# Altium PCB 8路分区电源管理器PCB.PcbDoc (part 2 of 2)
Units mm, origin at the board's own origin, x right, y up, seen from the top; angles counter-clockwise.
Board outline 138.9 x 76.5 mm, 2 copper layers (Top Layer, Bottom Layer); 98 components, 88 nets, 403 pads, 242 vias.
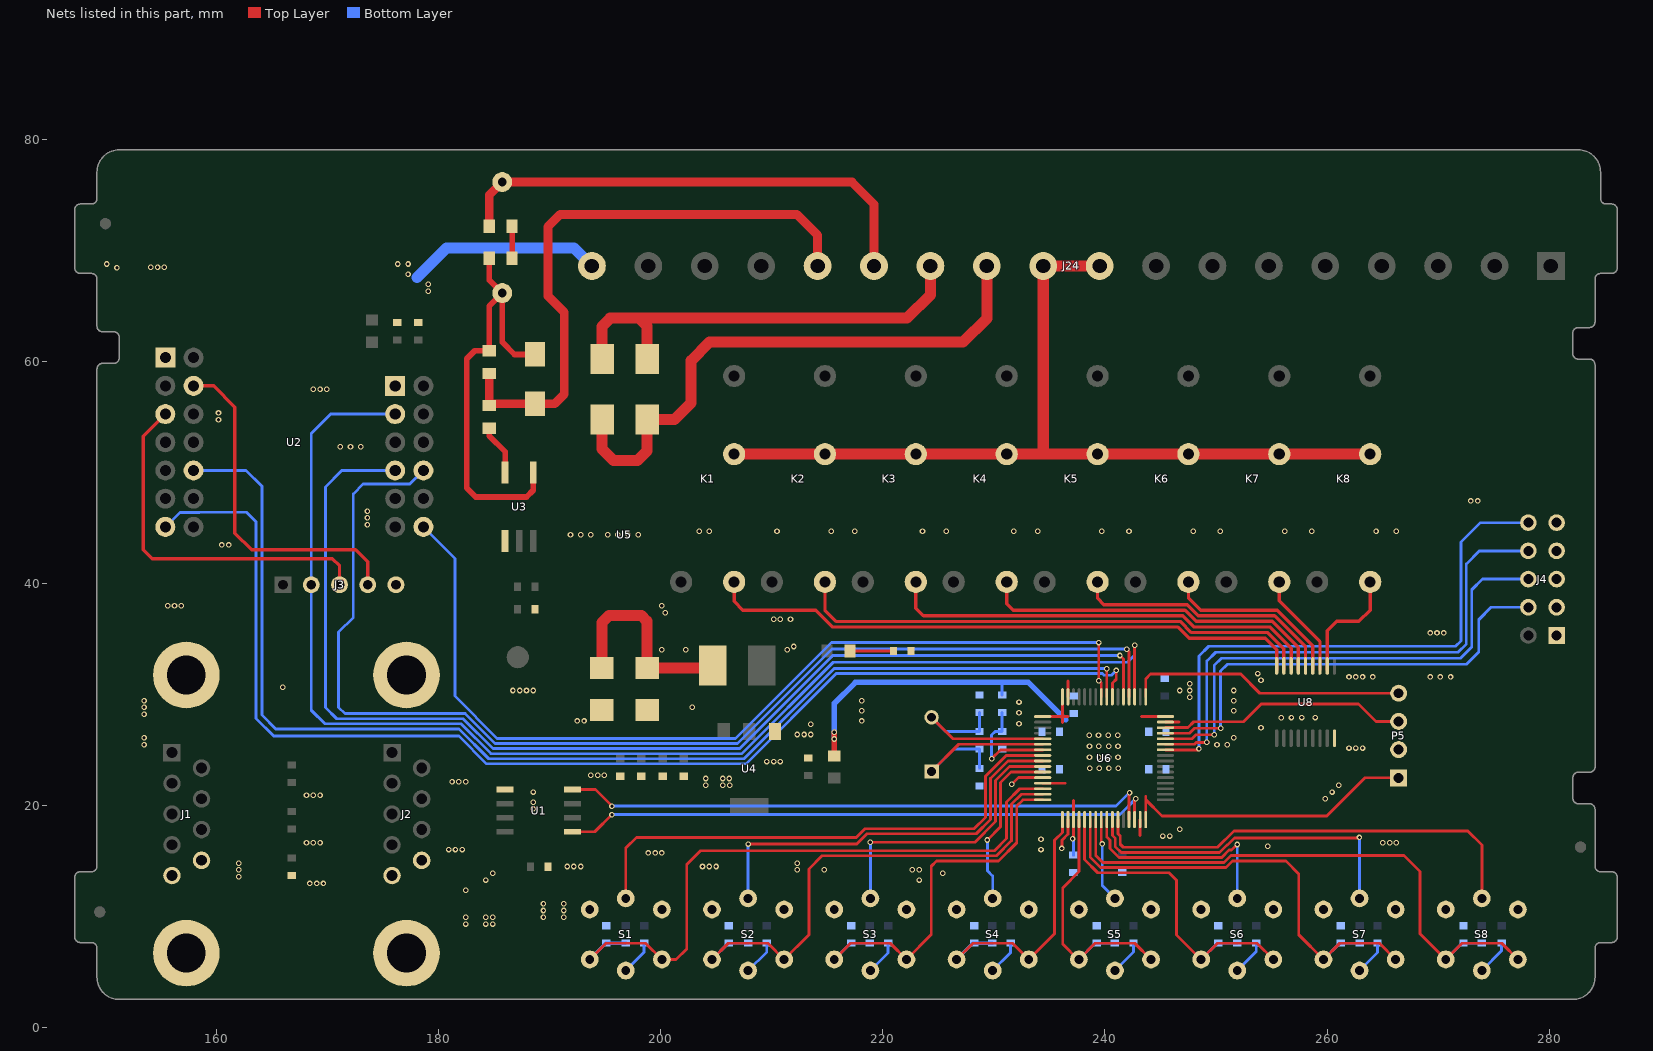
[diagram p2: the nets of this part, all layers, seen from the top]

## Via types
v1: diameter 0.5, hole 0.3, Top Layer to Bottom Layer, tented both sides, 242 vias

## Nets (pads, with @x,y where several pads share a name; then routed paths per layer and width w, separated by ;. In a path a pad name is that pad's centre, name@x,y a point inside that pad or via, vN(x,y) a via of type N, cw(c..) or ccw(c..) an arc to the next point about the centre after c; other vN are vias at no path point) (continued)
GND: C1.1 C2.2 C5.1 C6.1 C7.1 C8.1 C9.1 C10.1 C11.1 C12.1 C13.2 C14.2 C15.1 C16.1 C17.2 C18.2 C19.2 C20.2 C21.2 C22.1 C23.1 C24.1 C25.1 C26.1 C27.1 C28.1 J1.5 J1.9 J1.10 J1.11 J2.5 J2.9 J2.10 J2.11 J3.5 J4.1 J4.3 J4.5 J4.7 J4.9 J24.18 P5.2 R3.1 R8.1 R11.1 R15.1 S1.1 S1.3 S2.1 S2.3 S3.1 S3.3 S4.1 S4.3 S5.1 S5.3 S6.1 S6.3 S7.1 S7.3 S8.1 S8.3 U1.5 U2.1 U2.15 U3.4 U4.1 U5.4 U6.12 U6.18 U6.31 U6.47 U6.63 U8.9 | length 27.5
  Top Layer w0.254: v1(231.597,21.895) 232.209,22.507 U6.12@234.393,22.507 ; v1(236.118,16.128) 236.118,16.864 236.668,17.414 U6.18@236.668,18.732 ; U6.63@236.668,29.782 236.668,31.199 ; 243.168,17.283 U6.31@243.168,18.732 ; U6.47@245.443,27.507 246.667,27.507
  Bottom Layer w1: 178.054,67.539 180.721,70.206 192.176,70.206 J24.18@193.802,68.58
  other v1: 182.423,9.322 184.252,9.322 184.861,9.322 182.423,9.931 184.252,9.931 184.861,9.931 189.433,9.931 191.262,9.931 189.433,10.541 191.262,10.541 189.433,11.151 191.262,11.151 182.423,12.37 168.402,12.979 169.012,12.979 169.621,12.979 184.252,13.284 223.266,13.284 162.001,13.589 184.861,13.894 225.4,13.894 162.001,14.199 212.293,14.199 214.732,14.199 222.656,14.199 223.266,14.199 191.567,14.503 192.176,14.503 192.786,14.503 203.759,14.503 204.368,14.503 204.978,14.503 162.001,14.808 212.293,14.808 198.882,15.723 199.492,15.723 200.101,15.723 180.899,16.027 181.508,16.027 182.118,16.027 234.239,16.027 254.66,16.332 168.097,16.637 168.707,16.637 169.316,16.637 265.024,16.637 265.633,16.637 266.243,16.637 234.239,16.942 245.212,17.247 245.821,17.247 246.736,17.856 188.519,19.685 188.519,20.295 259.842,20.599 168.097,20.904 168.707,20.904 169.316,20.904 188.519,21.209 260.452,21.209 204.064,21.819 205.588,21.819 206.197,21.819 261.061,21.819 181.204,22.123 181.813,22.123 182.423,22.123 204.064,22.428 205.588,22.428 206.172,22.428 193.7,22.733 194.31,22.733 194.92,22.733 209.55,23.952 210.16,23.952 210.769,23.952 261.976,25.171 262.585,25.171 263.195,25.171 153.467,25.476 250.088,25.476 251.003,25.476 153.467,26.086 251.612,26.086 212.293,26.391 212.903,26.391 213.512,26.391 254.051,27 213.512,27.305 232.258,27.356 192.481,27.61 193.091,27.61 218.084,27.61 255.88,27.898 256.794,27.915 257.708,27.915 258.928,27.915 153.467,28.219 232.258,28.346 218.084,28.524 251.612,28.524 153.467,28.829 202.844,28.829 232.258,29.312 153.467,29.439 218.084,29.439 251.612,29.439 247.65,29.743 186.69,30.353 187.3,30.353 187.909,30.353 188.519,30.353 246.736,30.353 247.65,30.353 251.612,30.353 165.964,30.658 247.65,30.963 254.051,31.267 261.976,31.572 262.585,31.572 263.195,31.572 264.109,31.572 269.291,31.572 270.205,31.572 271.12,31.572 253.746,31.877 200.101,34.011 202.235,34.011 211.379,34.011 211.988,34.315 269.291,35.535 269.9,35.535 270.51,35.535 210.16,36.754 210.769,36.754 211.684,36.754 200.406,37.363 155.6,37.973 156.21,37.973 156.82,37.973 200.101,37.973 160.477,43.459 161.087,43.459 191.872,44.374 192.786,44.374 193.7,44.374 195.224,44.374 196.139,44.374 197.053,44.374 197.968,44.374 203.454,44.679 204.368,44.679 210.464,44.679 215.341,44.679 217.475,44.679 223.571,44.679 225.704,44.679 231.8,44.679 233.934,44.679 239.725,44.679 242.164,44.679 247.955,44.679 250.393,44.679 256.184,44.679 258.623,44.679 264.414,44.679 266.243,44.679 173.584,45.288 173.584,45.898 173.584,46.507 272.948,47.422 273.558,47.422 171.145,52.299 172.06,52.299 172.974,52.299 160.172,54.737 160.172,55.347 168.707,57.48 169.316,57.48 169.926,57.48 179.07,66.319 179.07,66.929 177.241,67.843 151.028,68.428 154.076,68.453 154.686,68.453 155.296,68.453 150.114,68.758 176.301,68.758 177.241,68.758
KEY1: C11.2 R10.2 S1.2 S1.4 U6.14 | length 58.6
  Top Layer w0.254: S1.2@193.6,6.132 195.063,7.595 198.637,7.595 S1.4@200.1,6.132 201.382,6.132 202.336,7.087 202.336,14.681 203.581,15.926 230.048,15.926 231.14,17.018 231.14,20.32 232.327,21.507 U6.14@234.393,21.507
  Bottom Layer w0.3: S1.2@193.6,6.132 195.063,7.595 C11.2@195.108,7.595 R10.2@196.85,7.595
KEY2: C22.2 R16.2 S2.2 S2.4 U6.15 | length 46.4
  Top Layer w0.254: S2.2@204.613,6.132 206.075,7.595 209.65,7.595 S2.4@211.113,6.132 213.335,8.354 213.335,14.275 214.528,15.469 230.237,15.469 231.597,16.829 231.597,20.131 232.474,21.007 U6.15@234.393,21.007
  Bottom Layer w0.254: S2.2@204.613,6.132 206.075,7.595 C22.2@206.121,7.595 R16.2@207.863,7.595
KEY3: C23.2 R18.2 S3.2 S3.4 U6.16 | length 35.3
  Top Layer w0.254: S3.2@215.625,6.132 217.088,7.595 220.663,7.595 S3.4@222.125,6.132 224.358,8.365 224.358,14.529 224.841,15.011 230.427,15.011 232.054,16.639 232.054,19.941 232.62,20.507 U6.16@234.393,20.507
  Bottom Layer w0.254: S3.2@215.625,6.132 217.088,7.595 C23.2@217.17,7.595 R18.2@218.821,7.595
KEY4: C24.2 R20.2 S4.2 S4.4 U6.17 | length 25.4
  Top Layer w0.254: S4.2@226.638,6.132 228.101,7.595 231.676,7.595 S4.4@233.138,6.132 235.458,8.452 235.458,16.866 236.168,17.576 U6.17@236.168,18.732
  Bottom Layer w0.3: S4.2@226.638,6.132 228.101,7.595 C24.2@228.219,7.595 R20.2@229.87,7.595
KEY5: C25.2 R22.2 S5.2 S5.4 U6.20 | length 25.4
  Top Layer w0.254: U6.20@237.668,18.732 237.668,14.047 236.195,12.573 236.195,7.518 237.581,6.132 S5.2@237.651,6.132 239.113,7.595 242.688,7.595 S5.4@244.151,6.132
  Bottom Layer w0.254: S5.2@237.651,6.132 239.113,7.595 C25.2@239.268,7.595 R22.2@240.901,7.595
KEY6: C26.2 R24.2 S6.2 S6.4 U6.21 | length 32.3
  Top Layer w0.254: U6.21@238.168,18.732 238.168,15.12 239.344,13.945 245.77,13.945 246.456,13.259 246.456,8.339 S6.2@248.664,6.132 250.126,7.595 253.701,7.595 S6.4@255.164,6.132
  Bottom Layer w0.254: S6.2@248.664,6.132 250.126,7.595 C26.2@250.19,7.595 R24.2@251.914,7.595
KEY7: C27.2 R26.2 S7.2 S7.4 U6.22 | length 43.5
  Top Layer w0.254: U6.22@238.668,18.732 238.668,15.345 239.612,14.402 250.897,14.402 251.481,14.986 256.311,14.986 257.454,13.843 257.454,8.354 S7.2@259.676,6.132 261.139,7.595 264.714,7.595 S7.4@266.176,6.132
  Bottom Layer w0.254: S7.2@259.676,6.132 261.139,7.595 C27.2@261.239,7.595 R26.2@262.926,7.595
KEY8: C28.2 R28.2 S8.2 S8.4 U6.23 | length 54
  Top Layer w0.254: U6.23@239.168,18.732 239.168,15.492 239.801,14.859 250.707,14.859 251.342,15.494 266.929,15.494 268.376,14.046 268.376,8.445 S8.2@270.689,6.132 272.152,7.595 275.726,7.595 S8.4@277.189,6.132
  Bottom Layer w0.254: S8.2@270.689,6.132 272.152,7.595 C28.2@272.288,7.595 R28.2@273.939,7.595
L: J24.12 U5.1 | length 40.3
  Top Layer w1: U5.1@194.716,60.203 194.716,63.144 195.453,63.881 198.044,63.881 ; U5.1@198.771,60.203 198.771,63.154 198.044,63.881 ; J24.12@224.282,68.58 224.282,65.989 222.174,63.881 198.044,63.881
L1: C4.2 D1.1 J24.14 R7.1 | length 53.7
  Top Layer w0.8: R7.1@184.556,56.016 C4.2@184.556,58.894 ; R7.1@184.81,56.175 D1.1@188.671,56.175 190.439,56.175 191.313,57.048 191.313,64.414 189.84,65.888 189.84,72.111 190.957,73.228 212.242,73.228 214.122,71.349 J24.14@214.122,68.58
MCU_3V3: C12.2 C13.1 C14.1 C15.2 C16.2 C18.1 L2.1 P5.1 R13.2 U6.1 U6.13 U6.19 U6.32 U6.48 U6.64 | length 70.2
  Top Layer w0.254: U6.13@234.393,22.007 236.387,22.007 ; U6.1@234.393,28.007 236.168,28.007 ; 236.168,27.458 236.168,28.007 ; U6.64@236.168,29.782 236.168,28.007 ; 236.661,28.007 236.168,28.007 ; v1@236.982,16.993 237.168,17.179 U6.19@237.168,18.732 237.168,20.447 ; 243.297,28.007 U6.48@245.443,28.007 ; U6.32@243.668,18.732 243.668,20.511 ; 243.668,20.834 243.668,20.511 ; P5.1@266.446,22.489 263.408,22.489 259.969,19.05 245.129,19.05 243.668,20.511
  Top Layer w0.5: L2.1@215.621,24.47 v1(215.621,25.984) v1(215.621,26.594)
  Bottom Layer w0.254: R13.2@230.734,29.947 230.734,31.064 ; v1@236.982,16.993 237.16,16.815 C15.2@237.16,15.519
  Bottom Layer w0.5: v1(215.621,25.984) v1(215.621,26.594) 215.621,29.185 217.526,31.09 233.096,31.09 236.461,27.724
  other v1: 237.084,16.993 238.633,23.343 239.471,23.343 240.36,23.343 241.198,23.343 238.608,24.333 239.446,24.333 240.335,24.333 241.173,24.333 238.608,25.324 239.446,25.324 240.335,25.324 241.173,25.324 238.582,26.314 239.42,26.314 240.309,26.314 241.148,26.314
MCU_NRST: C21.1 R13.1 U6.7 | length 9.8
  Top Layer w0.254: v1(229.794,24.206) 230.595,25.007 U6.7@234.393,25.007
  Bottom Layer w0.254: v1(229.794,24.206) 229.794,26.34 230.124,26.67 C21.1@230.734,26.67 R13.1@230.734,28.372
MODE_SW1: J4.10 U6.42 | length 51.3
  Top Layer w0.254: U6.42@245.443,25.007 248.375,25.007 v1(248.463,25.095)
  Bottom Layer w0.254: v1@248.463,25.019 v1(248.463,25.095) 248.463,33.452 249.352,34.341 271.579,34.341 272.059,34.821 272.059,43.713 273.812,45.466 J4.10@278.13,45.466
MODE_SW2: J4.8 U6.43 | length 48.6
  Top Layer w0.254: U6.43@245.443,25.507 248.054,25.507 248.222,25.675 249.322,25.675 v1@249.326,25.679
  Bottom Layer w0.254: v1(249.174,25.679) 249.174,32.995 249.98,33.801 271.803,33.801 272.542,34.54 272.542,41.758 273.71,42.926 J4.8@278.13,42.926
MODE_SW3: J4.6 U6.44 | length 45.3
  Top Layer w0.254: U6.44@245.443,26.007 247.851,26.007 248.209,26.365 v1(249.834,26.365)
  Bottom Layer w0.254: v1(249.834,26.365) 249.834,32.588 250.507,33.261 272.026,33.261 273.025,34.26 273.025,39.421 273.99,40.386 J4.6@278.13,40.386
MODE_SW4: J4.4 U6.45 | length 42.1
  Top Layer w0.254: U6.45@245.443,26.507 247.614,26.507 248.056,26.949 v1(250.419,26.949)
  Bottom Layer w0.254: v1(250.419,26.949) 250.419,32.106 251.028,32.715 272.567,32.715 273.66,33.807 273.66,36.728 274.777,37.846 J4.4@278.13,37.846
N: J24.11 U5.2 | length 51.6
  Top Layer w1: U5.2@194.716,54.762 194.716,52.121 195.758,51.079 197.917,51.079 198.771,51.934 U5.2@198.771,54.762 201.219,54.762 202.717,56.261 202.717,60.046 204.394,61.722 227.228,61.722 229.362,63.856 J24.11@229.362,68.58
N1: C3.1 J24.13 R5.1 | length 44.3
  Top Layer w0.8: R5.1@184.556,72.161 184.556,74.973 C3.1@185.725,76.142 217.203,76.142 219.202,74.143 J24.13@219.202,68.58
NetC3_2: C3.2 C4.1 D1.2 R6.2 U3.1 | length 39.2
  Top Layer w0.508: R6.2@184.556,69.266 184.556,67.31 C3.2@185.725,66.142 ; U3.1@188.519,49.971 188.519,48.387 187.909,47.777 183.337,47.777 182.524,48.59 182.524,60.223 183.245,60.944 C4.1@184.556,60.944 184.556,64.973 C3.2@185.725,66.142 ; D1.2@188.671,60.615 186.832,60.615 185.725,61.722 C3.2@185.725,66.142
NetC19_1: C19.1 R12.1 U6.6 Y1.1 | length 17.9
  Top Layer w0.254: Y1.1@224.384,23.06 226.831,25.507 U6.6@234.393,25.507
  Bottom Layer w0.254: Y1.1@224.384,23.06 226.419,25.095 R12.1@228.702,25.095 228.702,23.368 C19.1@228.727,23.343
NetC20_1: C20.1 R12.2 U6.5 Y1.2 | length 17.4
  Top Layer w0.254: Y1.2@224.384,27.94 226.317,26.007 U6.5@234.393,26.007
  Bottom Layer w0.254: Y1.2@224.384,27.94 225.654,26.67 R12.2@228.702,26.67 C20.1@228.702,28.372
NetD2_2: D2.2 R8.2 | length 3.9
  Top Layer w0.3: D2.2@217.027,33.909 R8.2@220.955,33.909
NetF1_1: F1.1 U5.3 | length 18.8
  Top Layer w1: U5.3@194.691,32.385 194.691,36.474 195.325,37.108 198.248,37.108 198.771,36.585 U5.3@198.771,32.385 204.48,32.385 F1.1@204.683,32.588
NetJ24_9: J24.9 J24.10 K1.2 K2.2 K3.2 K4.2 K5.2 K6.2 K7.2 K8.2 | length 79.4
  Top Layer w1: K1.2@206.605,51.638 K2.2@214.787,51.638 K3.2@222.969,51.638 K4.2@231.152,51.638 234.315,51.638 ; J24.9@239.522,68.58 J24.10@234.442,68.58 234.442,51.765 234.315,51.638 ; K8.2@263.881,51.638 K7.2@255.699,51.638 K6.2@247.517,51.638 K5.2@239.334,51.638 234.315,51.638
NetR5_2: R5.2 R6.1 | length 2.9
  Top Layer w0.5: R6.1@186.607,69.266 R5.2@186.607,72.161
NetR7_2: R7.2 U3.3 | length 4.6
  Top Layer w0.5: R7.2@184.556,53.966 184.556,53.289 185.979,51.867 U3.3@185.979,49.971
NetR9_2: R9.2 S1.5 | length 3.1
  Bottom Layer w0.254: S1.5@196.85,5.132 198.501,6.783 R9.2@198.501,7.595
NetR14_2: R14.2 S2.5 | length 3.2
  Bottom Layer w0.254: S2.5@207.863,5.132 209.55,6.819 R14.2@209.55,7.595
NetR17_2: R17.2 S3.5 | length 3.1
  Bottom Layer w0.254: S3.5@218.875,5.132 220.472,6.729 R17.2@220.472,7.595
NetR19_2: R19.2 S4.5 | length 3.1
  Bottom Layer w0.254: S4.5@229.888,5.132 231.496,6.739 R19.2@231.496,7.595
NetR21_2: R21.2 S5.5 | length 3.2
  Bottom Layer w0.254: S5.5@240.901,5.132 242.57,6.801 R21.2@242.57,7.595
NetR23_2: R23.2 S6.5 | length 3.2
  Bottom Layer w0.254: S6.5@251.914,5.132 253.619,6.837 R23.2@253.619,7.595
NetR25_2: R25.2 S7.5 | length 3.1
  Bottom Layer w0.254: S7.5@262.926,5.132 264.541,6.747 R25.2@264.541,7.595
NetR27_2: R27.2 S8.5 | length 3.2
  Bottom Layer w0.254: S8.5@273.939,5.132 275.717,6.91 R27.2@275.717,7.595
PA_EN: U2.10 U6.56 | length 110.8
  Top Layer w0.254: v1@240.157,32.182 240.168,32.17 U6.56@240.168,29.782
  Bottom Layer w0.254: U2.10@157.924,50.165 162.662,50.165 164.084,48.743 164.084,28.143 165.329,26.899 181.818,26.899 184.51,24.206 207.488,24.206 215.616,32.334 v1@240.132,32.334
  other v1: 240.157,32.309
PA_HGM: U2.26 U6.57 | length 84.5
  Top Layer w0.254: v1(239.446,34.671) v1(239.446,31.242) 239.668,31.019 U6.57@239.668,29.782
  Bottom Layer w0.254: U2.26@178.625,45.085 181.458,42.253 181.458,29.845 185.268,26.035 206.731,26.035 215.367,34.671 v1(239.446,34.671)
PA_PAEN: U2.13 U6.55 | length 111.9
  Top Layer w0.254: U6.55@240.668,29.782 240.668,31.017 241.021,31.369 v1@241.021,32.029
  Bottom Layer w0.254: U2.13@155.385,45.085 156.694,46.395 158.434,46.395 158.445,46.406 162.687,46.406 163.551,45.542 163.551,27.838 165.147,26.242 181.828,26.242 184.321,23.749 207.677,23.749 215.801,31.872 239.773,31.872 239.917,31.729 240.593,31.729 v1(241.021,32.156)
RLY-1: K1.3 U8.18 | length 54.2
  Top Layer w0.3: K1.3@206.605,40.132 206.605,38.378 207.391,37.592 213.97,37.592 215.494,36.068 246.583,36.068 247.58,35.071 254.436,35.071 255.464,34.043 U8.18@255.464,32.57 U8.18@255.464,32.214
RLY-2: K2.3 U8.17 | length 47.2
  Top Layer w0.3: K2.3@214.787,40.132 214.787,37.562 215.778,36.571 246.792,36.571 247.788,35.574 254.645,35.574 256.114,34.105 U8.17@256.114,32.57 U8.17@256.114,32.214
RLY-3: K3.3 U8.16 | length 39.4
  Top Layer w0.3: K3.3@222.969,40.132 222.969,37.762 223.657,37.074 247,37.074 247.997,36.078 254.853,36.078 256.764,34.167 U8.16@256.764,32.57 U8.16@256.764,32.385
RLY-4: K4.3 U8.15 | length 31.9
  Top Layer w0.3: K4.3@231.152,40.132 231.152,38.164 231.739,37.578 247.208,37.578 248.205,36.581 255.062,36.581 257.414,34.228 U8.15@257.414,32.57 U8.15@257.414,32.214
RLY-5: K5.3 U8.14 | length 23.9
  Top Layer w0.3: K5.3@239.334,40.132 239.334,38.643 239.897,38.081 247.417,38.081 248.414,37.084 255.27,37.084 258.064,34.29 U8.14@258.064,32.385
RLY-6: K6.3 U8.13 | length 16.6
  Top Layer w0.3: K6.3@247.517,40.132 247.517,38.693 248.617,37.592 255.524,37.592 258.714,34.402 U8.13@258.714,32.214
RLY-7: K7.3 U8.12 | length 9.4
  Top Layer w0.3: K7.3@255.699,40.132 255.699,38.433 259.364,34.768 U8.12@259.364,32.214
RLY-8: K8.3 U8.11 | length 10.7
  Top Layer w0.3: U8.11@260.014,32.214 260.014,35.732 260.863,36.581 262.87,36.581 263.881,37.592 K8.3@263.881,40.132
S-LED1: S1.6 U6.8 | length 47.7
  Top Layer w0.254: S1.6@196.85,11.632 196.85,16.154 197.815,17.12 217.602,17.12 218.387,17.905 228.219,17.905 229.235,18.921 229.235,22.631 231.111,24.507 U6.8@234.393,24.507
S-LED2: S2.6 U6.9 | length 36.7
  Top Layer w0.254: v1(207.863,16.525) 217.653,16.525 218.576,17.447 228.408,17.447 229.692,18.731 229.692,22.442 231.257,24.007 U6.9@234.393,24.007
  Bottom Layer w0.254: S2.6@207.863,11.632 v1(207.863,16.525)
S-LED3: S3.6 U6.10 | length 25.6
  Top Layer w0.254: v1(218.875,16.69) 228.297,16.69 230.149,18.542 230.149,22.253 231.404,23.507 U6.10@234.393,23.507
  Bottom Layer w0.254: S3.6@218.875,11.632 v1(218.875,16.69)
S-LED4: S4.6 U6.11 | length 15.3
  Top Layer w0.254: v1(229.413,16.891) 230.607,18.085 230.607,22.063 231.55,23.007 U6.11@234.393,23.007
  Bottom Layer w0.254: v1(229.413,16.891) 229.413,14.122 229.888,13.647 S4.6@229.888,11.632
S-LED5: S5.6 U6.24 | length 7.6
  Top Layer w0.254: U6.24@239.668,18.732 239.668,16.618 v1(239.751,16.535)
  Bottom Layer w0.254: v1(239.751,16.535) 239.751,12.782 S5.6@240.901,11.632
S-LED6: S6.6 U6.25 | length 19.9
  Top Layer w0.254: U6.25@240.168,18.732 240.168,17.157 240.462,16.864 240.462,16.127 241.272,15.316 250.518,15.316 251.178,15.977 251.406,15.977 v1(251.914,16.485)
  Bottom Layer w0.254: S6.6@251.914,11.632 v1(251.914,16.485)
S-LED7: S7.6 U6.26 | length 30.8
  Top Layer w0.254: U6.26@240.668,18.732 240.668,17.304 240.919,17.053 240.919,16.316 241.462,15.773 250.329,15.773 250.989,16.434 251.042,16.434 251.673,17.065 262.861,17.065 v1(262.915,17.12) v1@262.941,17.12
  Bottom Layer w0.254: v1(262.915,17.12) 262.915,11.643 S7.6@262.926,11.632
S-LED8: S8.6 U6.27 | length 40.9
  Top Layer w0.254: U6.27@241.168,18.732 241.168,17.451 241.376,17.243 241.376,16.505 241.651,16.231 250.139,16.231 251.608,17.7 272.673,17.7 273.939,16.434 S8.6@273.939,11.632
SWCLK: P5.4 U6.49 | length 25.3
  Top Layer w0.254: U6.49@243.668,29.782 243.668,31.401 244.094,31.826 252.222,31.826 253.939,30.109 P5.4@266.446,30.109
SWDIO: P5.3 U6.46 | length 22.5
  Top Layer w0.254: U6.46@245.443,27.007 247.467,27.007 247.994,27.534 252.476,27.534 254.076,29.134 262.84,29.134 264.405,27.569 P5.3@266.446,27.569
UART3_RXD: U1.1 U6.30 | length 53.8
  Top Layer w0.254: U1.1@192.049,17.628 194.056,17.628 v1(195.605,19.177) ; U6.30@242.668,18.732 242.668,20.498 v1(242.77,20.599)
  Bottom Layer w0.254: v1@195.682,19.177 241.348,19.177 v1(242.77,20.599)
UART3_TXD: U1.4 U6.29 | length 53.7
  Top Layer w0.254: U1.4@192.049,21.438 194.107,21.438 v1(195.605,19.939) ; U6.29@242.168,18.732 242.168,21.112 v1(242.214,21.158)
  Bottom Layer w0.254: v1(195.605,19.939) 240.995,19.939 v1(242.214,21.158)
Z_DC: J3.4 U2.4 | length 31
  Top Layer w0.3: U2.4@157.924,57.785 159.741,57.785 161.646,55.88 161.646,44.526 163.144,43.028 172.517,43.028 173.609,41.935 J3.4@173.609,39.878
Z_DD: J3.3 U2.5 | length 33
  Top Layer w0.3: U2.5@155.385,55.245 153.391,53.251 153.391,43.028 154.203,42.215 170.434,42.215 171.069,41.58 J3.3@171.069,39.878
Z_RST: J3.2 U2.17 U6.51 | length 118.2
  Top Layer w0.254: U6.51@242.668,29.782 v1(242.668,34.439)
  Bottom Layer w0.254: U2.17@176.085,55.245 170.282,55.245 168.529,53.492 J3.2@168.529,39.878 168.529,28.575 169.748,27.356 182.007,27.356 184.699,24.663 207.299,24.663 215.528,32.893 242.037,32.893 242.668,33.525 v1(242.668,34.439)
Z_RXD: U2.22 U6.52 | length 107.3
  Top Layer w0.254: v1(241.96,34.061) 242.168,33.853 U6.52@242.168,29.782
  Bottom Layer w0.254: U2.22@178.625,50.165 177.395,48.935 173.192,48.935 172.314,48.057 172.314,36.932 170.993,35.611 170.993,28.829 171.552,28.27 182.386,28.27 185.078,25.578 206.92,25.578 215.425,34.083 v1@241.939,34.083 ; v1(241.96,34.061) v1@241.939,34.083 ; v1@242.087,34.083 v1@241.939,34.083
Z_TXD: U2.21 U6.53 | length 107.2
  Top Layer w0.254: v1(241.351,33.503) 241.668,33.185 U6.53@241.668,29.782
  Bottom Layer w0.254: U2.21@176.085,50.165 171.272,50.165 169.799,48.692 169.799,28.829 170.815,27.813 182.196,27.813 184.889,25.121 207.109,25.121 215.491,33.503 v1@241.325,33.503 ; v1@241.325,33.528 v1(241.351,33.503)
pads on no net: FM1.1 FM2.1 FM3.1 FM4.1 FM5.1 FM6.1 J1.2 J1.4 J1.7 J2.2 J2.4 J2.7 J4.2 U2.2 U2.3 U2.6 U2.7 U2.8 U2.9 U2.11 U2.12 U2.14 U2.19 U2.20 U2.23 U2.24 U2.25 U6.2 U6.3 U6.4 U6.50 U6.54 U6.58 U6.59 U6.61

## Polygon pours and split planes (outlines as drawn)
GND on Bottom Layer "Bottom Layer-No Net" (hatched 90Degree grid 0.305 track 0.203, remove dead copper, pour order 18): 147.447,68.707 148.438,69.698 177.521,69.698 180.111,67.107 180.111,46.736 181.585,45.263 268.148,45.263 271.729,48.844 283.82,48.844 283.82,3.48 283.159,2.819 147.091,2.819 146.634,3.277 146.634,67.869 147.168,68.402
GND on Top Layer "Bottom Layer-No Net" (hatched 90Degree grid 0.305 track 0.203, remove dead copper, pour order 16): 150.597,69.444 177.648,69.444 179.781,67.31 179.781,47.066 181.483,45.364 268.554,45.364 271.958,48.768 283.972,48.768 283.972,3.2 283.083,2.311 148.844,2.311 146.812,4.343 146.812,67.894 147.625,68.707
MCU_3V3 on Top Layer "Top Layer-MCU_3V3" (solid, pour order 14): 235.636,21.006 236.626,20.015 243.434,20.015 244.196,20.777 244.196,27.813 243.484,28.524 236.423,28.524 235.636,27.737

## Keep-outs
Keep-Out Layer:
  circle w0.064: c284.13,5.904 r0.032
  lines w0.127: 284.13,59.691 ccw(c283.63,59.691) 283.63,60.191 282.63,60.191 cw(c282.63,60.691) 282.13,60.691 282.13,62.535 cw(c282.63,62.535) 282.63,63.035 283.63,63.035 ccw(c283.63,63.535) 284.13,63.535 284.13,67.408 cw(c284.63,67.408) 284.63,67.908 285.63,67.908 ccw(c285.63,68.408) 286.13,68.408 286.13,73.662 ccw(c285.63,73.662) 285.63,74.162 285.13,74.162 cw(c285.13,74.662) 284.63,74.662 284.63,77.035 ccw(c282.63,77.035) 282.63,79.035 151.23,79.035 ccw(c151.23,77.035) 149.23,77.035 149.23,74.662 cw(c148.73,74.662) 148.73,74.162 147.73,74.162 ccw(c147.73,73.662) 147.23,73.662 147.23,68.408 ccw(c147.73,68.408) 147.73,67.908 148.73,67.908 cw(c148.73,67.408) 149.23,67.408 149.23,63.154 ccw(c149.73,63.154) 149.73,62.654 150.73,62.654 cw(c150.73,62.154) 151.23,62.154 151.23,60.31 cw(c150.73,60.31) 150.73,59.81 149.73,59.81 ccw(c149.73,59.31) 149.23,59.31 149.23,14.535 cw(c148.73,14.535) 148.73,14.035 147.73,14.035 ccw(c147.73,13.535) 147.23,13.535 147.23,8.154 ccw(c147.73,8.154) 147.73,7.654 148.73,7.654 cw(c148.73,7.154) 149.23,7.154 149.23,4.535 ccw(c151.23,4.535) 151.23,2.535 282.13,2.535 ccw(c282.13,4.535) 284.13,4.535 284.13,7.154 cw(c284.63,7.154) 284.63,7.654 285.63,7.654 ccw(c285.63,8.154) 286.13,8.154 286.13,13.535 ccw(c285.63,13.535) 285.63,14.035 284.63,14.035 cw(c284.63,14.535) 284.13,14.535 284.13,19.651 ccw(c283.63,19.651) 283.63,20.151 282.638,20.151 cw(c282.638,20.651) 282.138,20.651 282.138,22.495 cw(c282.638,22.495) 282.638,22.995 283.638,22.995 ccw(c283.638,23.495) 284.138,23.495 284.138,59.691

## Other copper
Top Layer:
  region net MCU_3V3: 236.423,28.524 235.636,27.737 235.636,20.98 236.601,20.015 241.097,20.015 241.605,20.523 241.605,21.524 241.976,21.895 242.926,21.895 243.103,21.717 243.103,21.007 243.472,20.511 244.069,20.511 244.221,20.663 244.221,27.788 243.484,28.524
  region: 235.636,21.006
Bottom Layer:
  region net MCU_3V3: 236.423,28.524 235.661,27.762 235.661,21.234 235.915,20.98 240.233,20.98 241.427,22.174 244.018,22.174 244.196,22.352 244.196,27.864 243.535,28.524

## Silkscreen, mask and mechanical layers (free items; w line width, h text height)
Top Overlay:
  drawing of 1691 lines, arcs and shapes, not listed
  text "L" at 213.614,70.739 h2
  text "N" at 218.694,70.612 h2
  text "L" at 223.774,70.612 h2
  text "N" at 228.981,70.485 h2
  text "A" at 203.708,70.358 h2
  text "B" at 208.534,70.358 h2
  text "GND" at 192.405,70.231 h2
  text "+5V" at 197.485,70.231 h2
  text "RLY 1 ←→ 8" at 263.5,62.23 h2
  text "220VAC" at 266.751,59.36 h2
  text "3V3" at 165.633,37.744 h1.2 r270
  text "RST" at 168.173,37.744 h1.2 r270
  text "DD" at 170.706,37.744 h1.2 r270
  text "DC" at 173.253,37.744 h1.2 r270
  text "GND" at 175.793,37.744 h1.2 r270
  text "分区电源管理器控制板" at 228.803,35.001 h2.5
  text "+5V" at 201.754,31.623 h2 r90
  text "PWR" at 214.046,30.683 h2
  text "SWCLK" at 268.529,29.794 h1
  text "SWDIO" at 268.529,27.212 h1
  text "GND" at 202.008,27.051 h2 r90
  text "GND" at 268.529,24.63 h1
  text "3V3" at 268.529,22.047 h1
  text "MCU下载" at 262.611,18.085 h2
  text "国顺教育" at 272.578,17.527 h2.6
Bottom Overlay:
  drawing of 451 lines, arcs and shapes, not listed
  text "分区电源管理器控制板" at 176.91,72.184 h2.5
  text "GS-P1B-GXO02-V1.0" at 177.063,69.557 h2.5
  text "138.9 x 76.5 x 1.6 mm" at 177.063,67.179 h2.5
  text "2019-04-24" at 176.94,64.8 h2.5
  text "190416" at 175.692,5.41 h2
Mechanical 1:
  lines w0.254: 190.136,2.478 190.136,46.32 ; 190.136,61.357 190.136,78.743
Mechanical 2:
  text "制板说明：" at 91.938,-23.371 h2
  text "1. 电路板边框 画在KeepOut 层" at 93.98,-26.289 h2
  text "2. 制板说明放置在Mechanical2 层" at 93.955,-29.146 h2
  text "3. V型槽在Mechanical3 层" at 93.955,-31.972 h2
  text "4. PCB厂商编号请放置指定位置(GTAGTA)" at 93.955,-34.798 h2
Mechanical 15:
  lines w0.1: 154.729,24.26 157.929,24.26 ; 156.329,22.66 156.329,25.001 156.804,25.476 ; 173.652,24.514 176.852,24.514 ; 175.252,22.914 175.252,26.114 ; 191.457,13.973 194.657,13.973 ; 193.057,12.373 193.057,15.573 ; 277.817,67.567 281.017,67.567 ; 278.452,35.309 281.652,35.309 ; 279.417,65.967 279.417,69.167 ; 280.052,33.709 280.052,36.909
Mechanical 16:
  drawing of 3770 lines, arcs and shapes, not listed
  text "1" at 114.35,139.097 h1.78
  text "2" at 186.994,139.097 h1.78
  text "3" at 260.146,139.097 h1.78
  text "4" at 333.044,139.097 h1.78
  text "A" at 80.01,116.085 h1.78
  text "A" at 367.03,116.085 h1.78
  text "B" at 80.01,68.028 h1.78
  text "B" at 367.03,68.028 h1.78
  text "C" at 80.01,19.514 h1.78
  text "C" at 367.03,19.514 h1.78
  text "PCB制板工艺" at 298.933,-21.565 h3
  text "GS-P1B-GXO02" at 229.972,-22.708 h4
  text "138.9x76.5" at 287.376,-24.613 h2.2
  text "（厂商编号请放置B-Silk层或指定位置）" at 304.444,-24.613 h1.5
  text "板子大小" at 277.8,-24.638 h2
  text "（mm）" at 299.314,-24.74 h2
  text "分区电源管理器电路板" at 229.87,-27.102 h3.5
  text "☆ 0.8" at 287.372,-27.568 h2.2
  text "☆ 1.0" at 295.599,-27.568 h2.2
  text "☆ 1.2" at 304.134,-27.568 h2.2
  text "★ 1.6" at 313.557,-27.558 h2.2
  text "☆ 2.0" at 322.6,-27.568 h2.2
  text "板子厚度" at 277.8,-27.597 h2
  text "D" at 80.01,-28.492 h1.78
  text "D" at 367.03,-28.492 h1.78
  text "☆ 1" at 287.372,-30.491 h2.2
  text "mm" at 322.377,-30.519 h2
  text "V1.0" at 238.658,-30.582 h2.5
  text "日  期：" at 254.152,-30.591 h2
  text "2019-04-24" at 263.246,-30.582 h2.5
  text "版  本：" at 228.803,-30.607 h2
  text "板子层数" at 277.8,-30.6 h2
  text "★ 2" at 295.599,-30.644 h2.2
  text "0.3" at 313.792,-30.632 h2.2
  text "最小过孔" at 304.199,-30.682 h2
  text "项目名称：" at 228.803,-33.325 h2
  text "★单片" at 287.37,-33.359 h2
  text "☆连片" at 295.69,-33.351 h2
  text "5" at 313.995,-33.35 h2.2
  text "mil" at 322.377,-33.35 h2
  text "实训室智能化管理系统" at 238.658,-33.376 h2
  text "交货形式" at 277.8,-33.374 h2
  text "最小线宽" at 304.199,-33.374 h2
  text "☆黑色" at 313.614,-36.144 h2
  text "☆白色" at 322.676,-36.144 h2
  text "设计组：" at 228.803,-36.17 h2
  text "智能实训室产品部" at 238.658,-36.17 h2
  text "★绿色" at 287.37,-36.193 h2
  text "☆红色" at 295.69,-36.193 h2
  text "☆蓝色" at 304.199,-36.193 h2
  text "阻焊颜色" at 277.8,-36.27 h2
  text "深圳市国顺教育科技" at 332.588,-36.932 h3
  text "☆黑色" at 287.37,-39.185 h2
  text "★白色" at 295.69,-39.201 h2
  text "杨青" at 238.658,-39.218 h2
  text "杨青" at 263.246,-39.218 h2
  text "字符颜色" at 277.8,-39.216 h2
  text "特殊工艺" at 304.021,-39.218 h2
  text "无" at 313.114,-39.218 h2
  text "设  计：" at 228.803,-39.237 h2
  text "绘  图：" at 254.229,-39.253 h2
  text "有限公司" at 332.588,-39.98 h3
  text "焊盘喷锡" at 277.8,-41.91 h2
  text "批  准：" at 254.229,-41.961 h2
  text "★有铅" at 287.319,-41.969 h2
  text "☆无铅" at 295.69,-41.969 h2
  text "☆沉金" at 304.199,-41.954 h2
  text "检  查：" at 228.803,-41.986 h2
  text "杨青" at 238.658,-42.012 h2
  text "杨青" at 263.246,-42.012 h2
  text "中国广东省深圳市南山区桃源街道" at 332.851,-42.591 h2
  text "SCH编号：" at 228.956,-44.638 h2
  text "打印日期：" at 254.305,-44.661 h2
  text "阻焊覆盖" at 277.8,-44.704 h2
  text "★过孔盖油" at 287.319,-44.763 h2
  text "☆过孔开窗" at 304.199,-44.755 h2
  text "190416" at 238.811,-44.788 h2.2
  text ".PRINT_DATE" at 264.008,-44.786 h2.5
  text "南山智园A4栋1208" at 332.901,-44.885 h2
  text "1" at 114.35,-48.863 h1.78
  text "2" at 186.994,-48.863 h1.78
  text "3" at 260.146,-48.863 h1.78
  text "4" at 333.044,-48.863 h1.78

## Dimensions
282.13,2.535 to 282.63,79.035 on Mechanical 2
147.23,8.154 to 286.13,8.154 on Mechanical 2

## Text inside footprints (layer, text, board x,y; h text height)
J1: Bottom Overlay "8" at 160.17,17.521 h0.8 r270; Bottom Overlay "7" at 160.17,20.315 h0.8 r270; Bottom Overlay "4" at 154.429,16.785 h0.8 r90; Bottom Overlay "3" at 154.429,19.604 h0.8 r90; Bottom Overlay "2" at 154.429,22.119 h0.8 r90; Bottom Overlay "9" at 160.17,14.6 h0.8 r270; Bottom Overlay "6" at 160.17,23.16 h0.8 r270; Bottom Overlay "5" at 154.429,13.965 h0.8 r90; Bottom Overlay "1" at 154.429,24.964 h0.8 r90
J2: Bottom Overlay "8" at 179.993,17.521 h0.8 r270; Bottom Overlay "7" at 179.993,20.315 h0.8 r270; Bottom Overlay "4" at 174.252,16.785 h0.8 r90; Bottom Overlay "3" at 174.252,19.604 h0.8 r90; Bottom Overlay "2" at 174.252,22.119 h0.8 r90; Bottom Overlay "9" at 179.993,14.6 h0.8 r270; Bottom Overlay "6" at 179.993,23.16 h0.8 r270; Bottom Overlay "5" at 174.252,13.965 h0.8 r90; Bottom Overlay "1" at 174.252,24.964 h0.8 r90
S1: Top Overlay "短" at 194.691,10.262 h1.3; Top Overlay "长" at 197.815,5.613 h1.3
S2: Top Overlay "短" at 205.704,10.262 h1.3; Top Overlay "长" at 208.828,5.613 h1.3
S3: Top Overlay "短" at 216.716,10.262 h1.3; Top Overlay "长" at 219.841,5.613 h1.3
S4: Top Overlay "短" at 227.729,10.262 h1.3; Top Overlay "长" at 230.853,5.613 h1.3
S5: Top Overlay "短" at 238.742,10.262 h1.3; Top Overlay "长" at 241.866,5.613 h1.3
S6: Top Overlay "短" at 249.755,10.262 h1.3; Top Overlay "长" at 252.879,5.613 h1.3
S7: Top Overlay "短" at 260.767,10.262 h1.3; Top Overlay "长" at 263.891,5.613 h1.3
S8: Top Overlay "短" at 271.78,10.262 h1.3; Top Overlay "长" at 274.904,5.613 h1.3
U2: Top Overlay "2" at 157.734,62.103 h0.76; Top Overlay "1" at 155.321,62.103 h0.76; Top Overlay "14" at 157.34,42.85 h0.76; Top Overlay "13" at 154.686,42.85 h0.76; Top Overlay "26" at 178.181,42.85 h0.76; Top Overlay "25" at 175.387,42.85 h0.76; Top Overlay "15" at 175.387,59.563 h0.76; Top Overlay "16" at 177.927,59.563 h0.76
U6: Top Overlay "16" at 232.121,19.888 h1.5; Top Overlay "17" at 236.616,16.434 h1.5 r90; Top Overlay "32" at 244.16,16.383 h1.5 r90; Top Overlay "33" at 246.599,20.041 h1.5; Top Overlay "48" at 246.598,27.686 h1.5; Top Overlay "49" at 244.262,30.886 h1.5 r90; Top Overlay "64" at 236.566,30.912 h1.5 r90